# KiCad board S100-Backplane.kicad_pcb (continued)
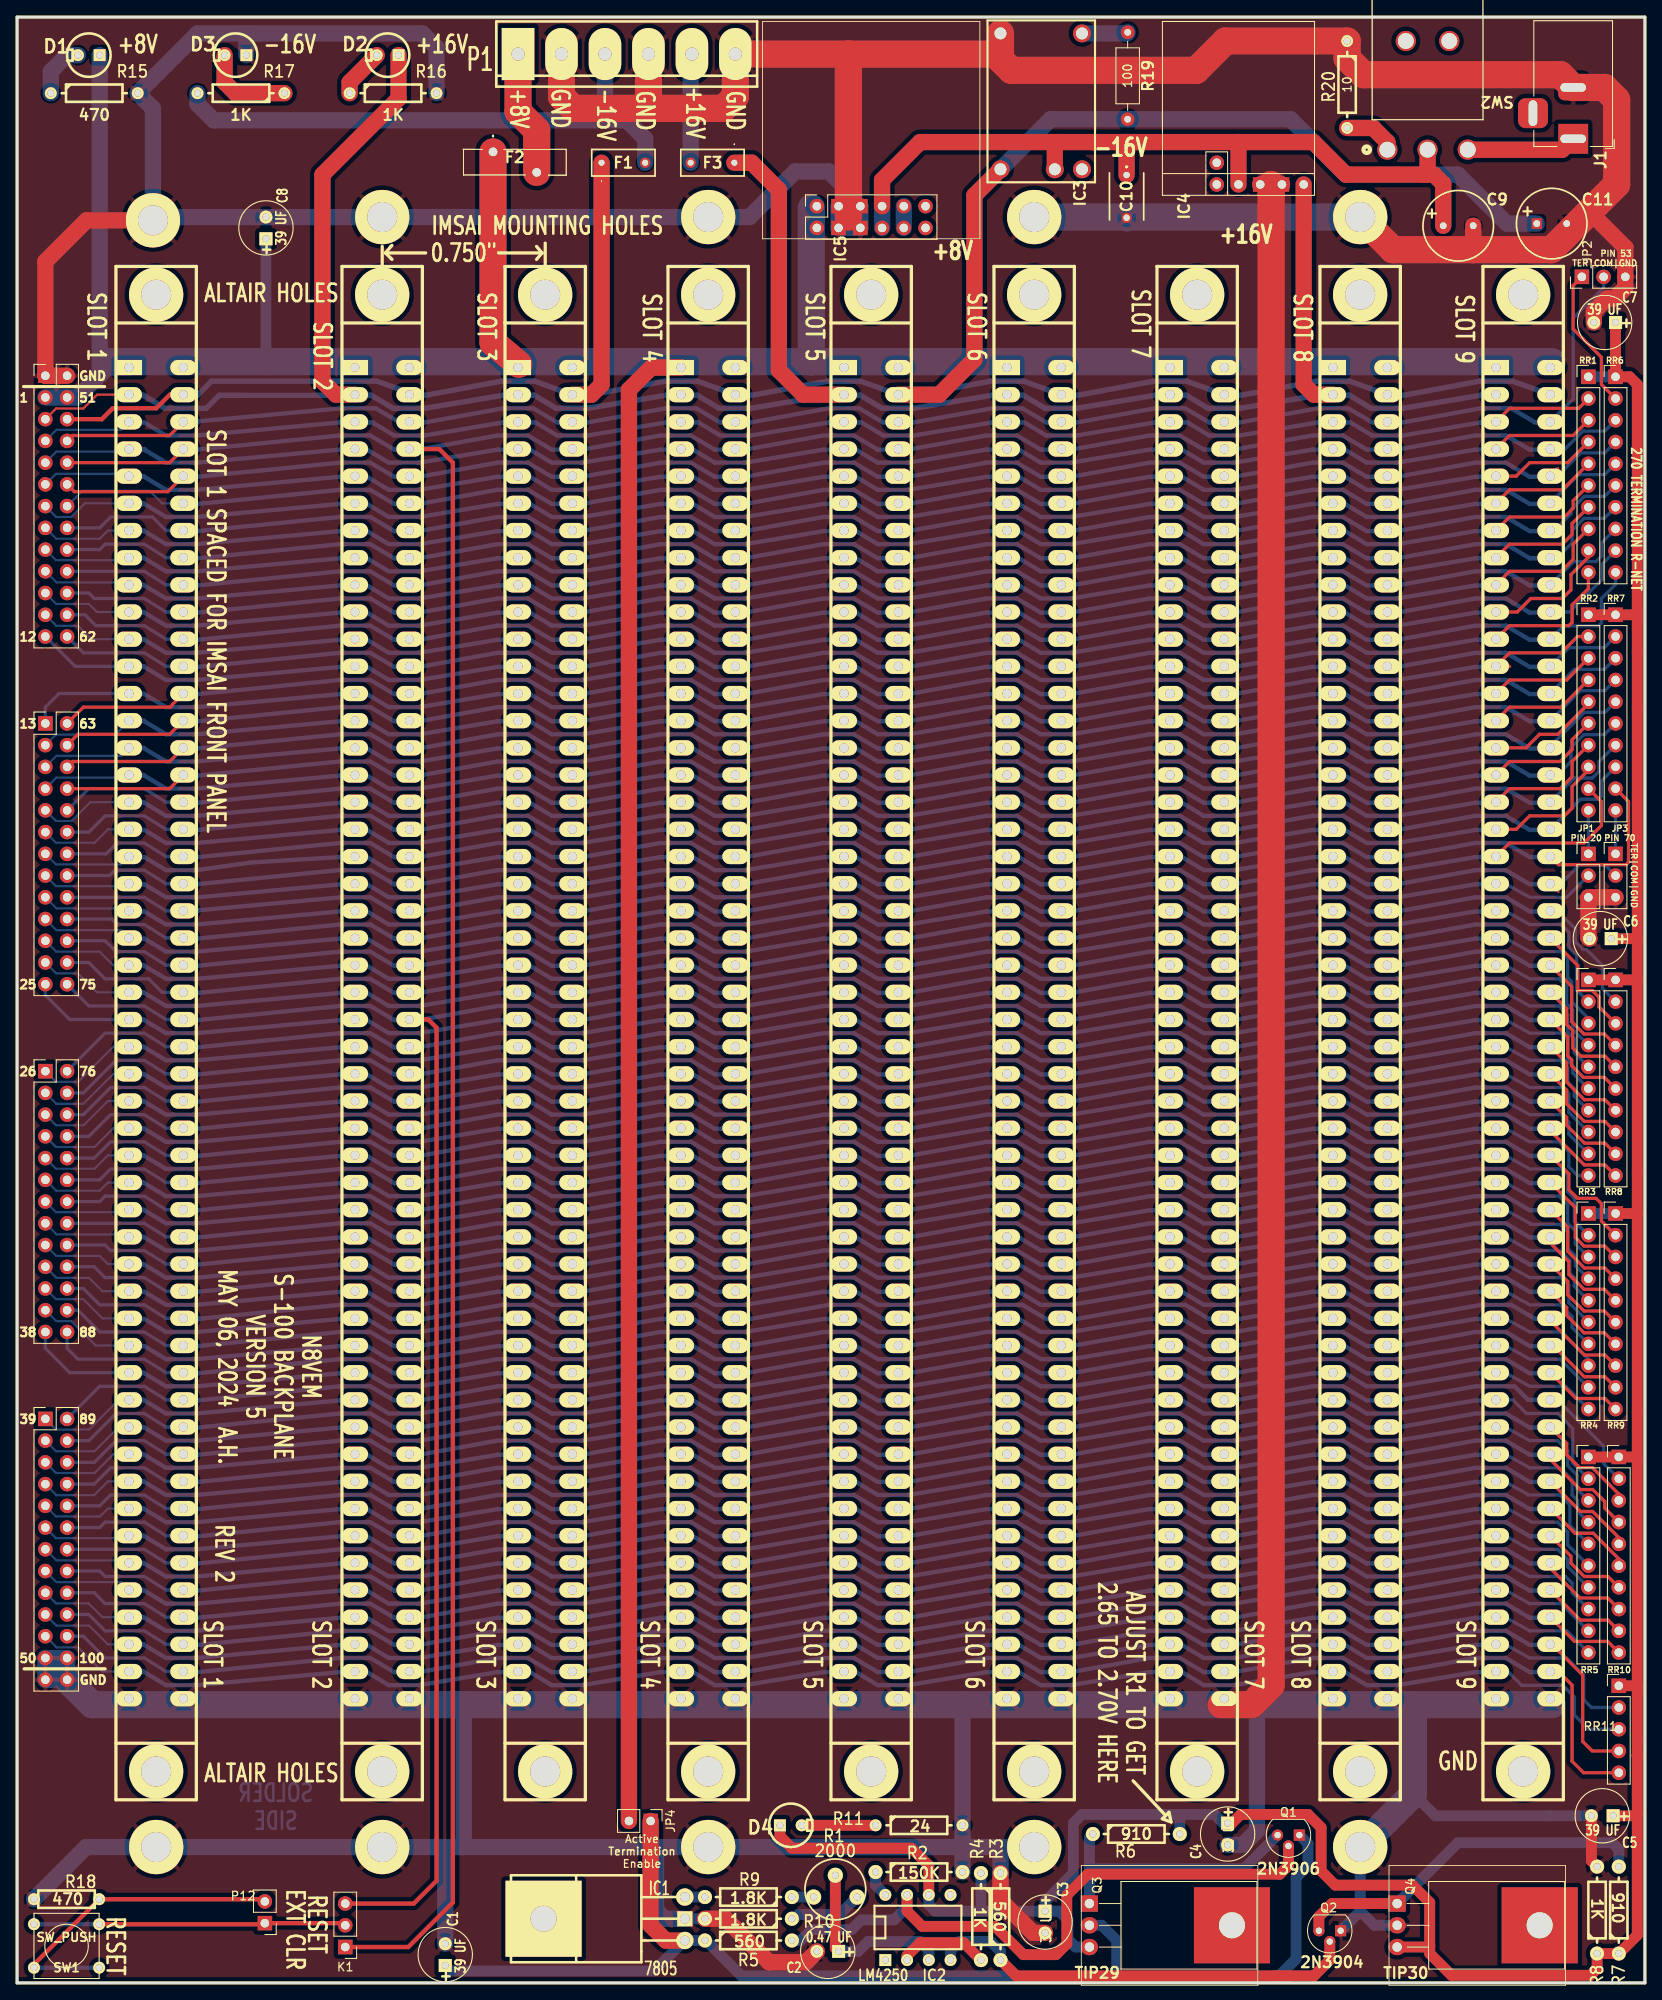
[diagram p0: board, top side]
## Routing (per net, layer and track width the routed paths; a pad name or vN(x,y) marks a point on that pad's centre or on a via; arc(x,y) is an arc through that point) (continued)
/A7: length 193.6
  Component w0.381: 179.2,87.12 U39.83 179.19,86.46 181.36,84.3 181.36,82.8 181.78,82.38 181.81,82.38 183.13,81.06 185.52,81.06 RR9.5
  Copper w0.381: 17.4,87.19 14.86,88.77 P4.16 ; 17.4,87.19 U31.83 ; 17.4,87.19 17.46,87.19
  Copper w0.508: 178.56,87.19 178.56,87.12 176.78,87.12 173.99,88.77 170.43,88.77 161.29,87.12 159.39,87.12 159.51,87.19 159.51,87.12 157.73,87.12 154.94,88.77 151.38,88.77 142.24,87.12 140.34,87.12 140.46,87.19 140.46,87.12 138.68,87.12 135.89,88.77 132.33,88.77 123.19,87.12 121.28,87.12 121.41,87.19 121.41,87.12 119.63,87.12 116.84,88.77 113.28,88.77 104.14,87.12 102.24,87.12 102.36,87.19 102.36,87.12 100.58,87.12 97.79,88.77 94.23,88.77 85.09,87.12 83.19,87.12 83.31,87.19 83.31,87.12 81.53,87.12 78.74,88.77 75.18,88.77 66.04,87.12 64.14,87.12 64.26,87.19 64.26,87.12 62.48,87.12 59.69,88.77 56.13,88.77 46.99,87.12 45.09,87.12 45.21,87.19 ; U32.83 45.85,87.12 44.07,87.12 41.28,88.77 37.72,88.77 21.08,87.12 19.05,87.12 19.17,87.19
/A8: length 194.5
  Component w0.381: U39.84 181.23,81.98 181.23,80.42 183.13,78.52 185.52,78.52 RR9.6
  Copper w0.381: 17.4,84.02 17.46,84.02 ; 17.4,84.02 U31.84 ; 17.4,84.02 14.86,85.6 10.92,85.6 10.29,86.23 P4.18 ; U39.84 180.53,84.02
  Copper w0.508: 178.56,84.02 178.56,83.95 176.78,83.95 173.99,85.6 170.43,85.6 161.29,83.95 159.39,83.95 159.51,84.02 159.51,83.95 157.73,83.95 154.94,85.6 151.38,85.6 142.24,83.95 140.34,83.95 140.46,84.02 140.46,83.95 138.68,83.95 135.89,85.6 132.33,85.6 123.19,83.95 121.28,83.95 121.41,84.02 121.41,83.95 119.63,83.95 116.84,85.6 113.28,85.6 104.14,83.95 102.24,83.95 102.36,84.02 102.36,83.95 100.58,83.95 97.79,85.6 94.23,85.6 85.09,83.95 83.19,83.95 83.31,84.02 83.31,83.95 81.53,83.95 78.74,85.6 75.18,85.6 66.04,83.95 64.14,83.95 64.26,84.02 64.26,83.95 62.48,83.95 59.69,85.6 56.13,85.6 46.99,83.95 45.09,83.95 45.21,84.02 ; U32.84 45.85,83.95 44.07,83.95 41.28,85.6 37.72,85.6 21.08,83.95 19.05,83.95 19.17,84.02
/A9: length 191.1
  Copper w0.25: P4.17 4.57,84.96 9.65,84.96 10.6,84.02 U31.34
  Copper w0.381: 173.54,84.02 U39.34 173.93,84.01 176.78,82.42 180.47,82.42 181.36,81.53 181.36,79.51 RR4.6
  Copper w0.508: 153.16,83.95 155.19,83.95 157.73,82.42 161.29,82.42 170.43,83.95 172.21,83.95 172.21,84.02 ; 153.16,83.95 153.16,84.02 153.16,83.95 ; 153.16,83.95 151.38,83.95 142.24,82.42 138.68,82.42 136.14,83.95 134.11,83.95 ; 134.11,83.95 134.11,84.02 134.11,83.95 ; 134.11,83.95 132.33,83.95 123.19,82.42 119.63,82.42 117.09,83.95 115.06,83.95 ; 115.06,83.95 115.06,84.02 115.06,83.95 ; 115.06,83.95 113.28,83.95 104.14,82.42 100.58,82.42 98.04,83.95 96.01,83.95 ; 96.01,83.95 96.01,84.02 96.01,83.95 ; 96.01,83.95 94.23,83.95 85.09,82.42 81.53,82.42 78.99,83.95 76.96,83.95 ; 76.96,83.95 76.96,84.02 76.96,83.95 ; 76.96,83.95 75.18,83.95 66.04,82.42 62.48,82.42 59.94,83.95 57.91,83.95 ; 57.91,83.95 57.91,84.02 57.91,83.95 ; 57.91,83.95 56.13,83.95 46.99,82.42 43.43,82.42 40.89,83.95 38.86,83.95 38.86,84.02 ; U32.34 39.5,83.95 37.72,83.95 20.96,82.42 17.4,82.42 14.86,83.95 14.79,84.02 U31.34
/A10: length 190.1
  Copper w0.25: U31.37 9.18,74.49 6.33,77.34 4.57,77.34 P4.23
  Copper w0.381: 173.54,74.49 U39.37 173.93,74.49 176.78,72.9 180.34,72.9 RR4.9
  Copper w0.508: 153.16,74.42 155.19,74.42 157.73,72.9 161.29,72.9 170.43,74.42 172.21,74.42 172.21,74.49 ; 153.16,74.42 153.16,74.49 153.16,74.42 ; 153.16,74.42 151.38,74.42 142.24,72.9 138.68,72.9 136.14,74.42 134.11,74.42 ; 134.11,74.42 134.11,74.49 134.11,74.42 ; 134.11,74.42 132.33,74.42 123.19,72.9 119.63,72.9 117.09,74.42 115.06,74.42 ; 115.06,74.42 115.06,74.49 115.06,74.42 ; 115.06,74.42 113.28,74.42 104.14,72.9 100.58,72.9 98.04,74.42 96.01,74.42 ; 96.01,74.42 96.01,74.49 96.01,74.42 ; 96.01,74.42 94.23,74.42 85.09,72.9 81.53,72.9 78.99,74.42 76.96,74.42 ; 76.96,74.42 76.96,74.49 76.96,74.42 ; 76.96,74.42 75.18,74.42 66.04,72.9 62.48,72.9 59.94,74.42 57.91,74.42 ; 57.91,74.42 57.91,74.49 57.91,74.42 ; 57.91,74.42 56.13,74.42 46.99,72.9 43.43,72.9 40.89,74.42 38.86,74.42 38.86,74.49 ; U32.37 39.5,74.42 37.72,74.42 20.96,72.9 17.4,72.9 14.86,74.42 12.83,74.42
/A11: length 194
  Component w0.381: U39.87 179.51,74.49 183.16,70.84 185.58,70.84 RR9.9
  Copper w0.381: 179.58,74.42 179.2,74.42 U39.87 179.2,74.55 180.47,74.55 ; 17.4,74.49 17.46,74.49 ; 17.4,74.49 U31.87 ; 17.4,74.49 14.86,76.07 9.65,76.07 7.11,78.61 P4.24
  Copper w0.508: 178.56,74.49 178.56,74.42 176.78,74.42 173.99,76.07 170.43,76.07 161.29,74.42 159.39,74.42 159.51,74.49 159.51,74.42 157.73,74.42 154.94,76.07 151.38,76.07 142.24,74.42 140.34,74.42 140.46,74.49 140.46,74.42 138.68,74.42 135.89,76.07 132.33,76.07 123.19,74.42 121.28,74.42 121.41,74.49 121.41,74.42 119.63,74.42 116.84,76.07 113.28,76.07 104.14,74.42 102.24,74.42 102.36,74.49 102.36,74.42 100.58,74.42 97.79,76.07 94.23,76.07 85.09,74.42 83.19,74.42 83.31,74.49 83.31,74.42 81.53,74.42 78.74,76.07 75.18,76.07 66.04,74.42 64.14,74.42 64.26,74.49 64.26,74.42 62.48,74.42 59.69,76.07 56.13,76.07 46.99,74.42 45.09,74.42 45.21,74.49 ; U32.87 45.85,74.42 44.07,74.42 41.28,76.07 37.72,76.07 21.08,74.42 19.05,74.42 19.17,74.49
/A12: length 193.2
  Copper w0.25: P4.15 4.6,87.47 12.79,87.47 U31.33
  Copper w0.381: U39.33 173.54,87.19 U39.33 ; U39.33 173.93,87.19 ; U39.33 173.93,87.19 ; 173.93,87.19 176.78,85.6 180.34,85.6 181.48,84.46 181.48,82.93 181.99,82.42 181.99,81.41 RR4.5
  Copper w0.508: 153.16,87.12 155.19,87.12 157.73,85.6 161.29,85.6 170.43,87.12 172.21,87.12 172.21,87.19 ; 153.16,87.12 153.16,87.19 153.16,87.12 ; 153.16,87.12 151.38,87.12 142.24,85.6 138.68,85.6 136.14,87.12 134.11,87.12 ; 134.11,87.12 134.11,87.19 134.11,87.12 ; 134.11,87.12 132.33,87.12 123.19,85.6 119.63,85.6 117.09,87.12 115.06,87.12 ; 115.06,87.12 115.06,87.19 115.06,87.12 ; 115.06,87.12 113.28,87.12 104.14,85.6 100.58,85.6 98.04,87.12 96.01,87.12 ; 96.01,87.12 96.01,87.19 96.01,87.12 ; 96.01,87.12 94.23,87.12 85.09,85.6 81.53,85.6 78.99,87.12 76.96,87.12 ; 76.96,87.12 76.96,87.19 76.96,87.12 ; 76.96,87.12 75.18,87.12 66.04,85.6 62.48,85.6 59.94,87.12 57.91,87.12 ; 57.91,87.12 57.91,87.19 57.91,87.12 ; 57.91,87.12 56.13,87.12 46.99,85.6 43.43,85.6 40.89,87.12 38.86,87.12 38.86,87.19 ; U32.33 39.5,87.12 37.72,87.12 20.96,85.6 17.4,85.6 14.86,87.12 14.79,87.19 U31.33
/A13: length 194.1
  Component w0.25: U39.85 179.54,80.49
  Component w0.381: RR9.7 185.52,75.98 183.13,75.98 181.1,78.01 181.1,78.93 U39.85
  Copper w0.381: 179.58,80.77 179.2,80.77 U39.85 179.26,80.84 179.58,80.84 ; 17.4,80.84 17.46,80.84 ; 17.4,80.84 U31.85 ; 17.4,80.84 14.86,82.42 10.29,82.42 9.02,83.69 P4.20
  Copper w0.508: 178.56,80.84 178.56,80.77 176.78,80.77 173.99,82.42 170.43,82.42 161.29,80.77 159.39,80.77 159.51,80.84 159.51,80.77 157.73,80.77 154.94,82.42 151.38,82.42 142.24,80.77 140.34,80.77 140.46,80.84 140.46,80.77 138.68,80.77 135.89,82.42 132.33,82.42 123.19,80.77 121.28,80.77 121.41,80.84 121.41,80.77 119.63,80.77 116.84,82.42 113.28,82.42 104.14,80.77 102.24,80.77 102.36,80.84 102.36,80.77 100.58,80.77 97.79,82.42 94.23,82.42 85.09,80.77 83.19,80.77 83.31,80.84 83.31,80.77 81.53,80.77 78.74,82.42 75.18,82.42 66.04,80.77 64.14,80.77 64.26,80.84 64.26,80.77 62.48,80.77 59.69,82.42 56.13,82.42 46.99,80.77 45.09,80.77 45.21,80.84 ; U32.85 45.85,80.77 44.07,80.77 41.28,82.42 37.72,82.42 21.08,80.77 19.05,80.77 19.17,80.84
/A14: length 197.7
  Component w0.381: U39.86 179.19,77.38 183.19,73.38 185.58,73.38 RR9.8
  Copper w0.381: 180.21,77.72 179.2,77.72 U39.86 ; U31.86 17.4,77.67 ; 17.4,77.67 17.46,77.67 ; 17.4,77.67 14.86,79.25 9.65,79.25 7.75,81.15 P4.22
  Copper w0.508: U39.86 179.2,77.6 177.42,77.6 174.63,79.25 171.07,79.25 161.92,77.6 160.02,77.6 U38.86 160.15,77.6 158.37,77.6 155.58,79.25 152.02,79.25 142.88,77.6 140.97,77.6 U37.86 141.1,77.6 139.32,77.6 136.53,79.25 132.97,79.25 123.83,77.6 121.92,77.6 U36.86 122.05,77.6 120.27,77.6 117.47,79.25 113.92,79.25 104.78,77.6 102.87,77.6 U35.86 103,77.6 101.22,77.6 98.43,79.25 94.87,79.25 85.72,77.6 83.82,77.6 U34.86 83.95,77.6 82.17,77.6 79.38,79.25 75.82,79.25 66.68,77.6 64.77,77.6 U33.86 64.9,77.6 63.12,77.6 60.33,79.25 56.77,79.25 47.62,77.6 45.72,77.6 ; 45.72,77.6 U32.86 45.72,77.6 ; 45.72,77.6 43.69,77.6 41.02,79.25 37.72,79.25 21.08,77.6 21.34,77.6 ; 46.48,77.67 46.48,77.6 44.7,77.6 ; 21.59,77.6 19.69,77.6 19.81,77.67 ; 21.34,77.6 U31.86 ; 21.34,77.6 20.96,77.6
/A15: length 192
  Copper w0.25: U31.32 12.78,90.07 4.54,90.07 P4.13
  Copper w0.381: 176.78,88.77 173.93,90.36 U39.32 173.54,90.37 ; 176.78,88.77 176.85,88.77 ; 176.78,88.77 176.91,88.65 180.34,88.65 181.23,87.76 181.23,85.85 182.12,84.96 182.12,83.82 RR4.4
  Copper w0.508: 172.21,90.37 172.21,90.3 170.43,90.3 161.29,88.77 157.73,88.77 155.19,90.3 153.16,90.3 ; 153.16,90.3 153.16,90.37 153.16,90.3 ; 153.16,90.3 151.38,90.3 142.24,88.77 138.68,88.77 136.14,90.3 134.11,90.3 ; 134.11,90.3 134.11,90.37 134.11,90.3 ; 134.11,90.3 132.33,90.3 123.19,88.77 119.63,88.77 117.09,90.3 115.06,90.3 ; 115.06,90.3 115.06,90.37 115.06,90.3 ; 115.06,90.3 113.28,90.3 104.14,88.77 100.58,88.77 98.04,90.3 96.01,90.3 ; 96.01,90.3 96.01,90.37 96.01,90.3 ; 96.01,90.3 94.23,90.3 85.09,88.77 81.53,88.77 78.99,90.3 76.96,90.3 ; 76.96,90.3 76.96,90.37 76.96,90.3 ; 76.96,90.3 75.18,90.3 66.04,88.77 62.48,88.77 59.94,90.3 57.91,90.3 ; 57.91,90.3 57.91,90.37 57.91,90.3 ; 57.91,90.3 56.13,90.3 46.99,88.77 43.43,88.77 40.89,90.3 38.86,90.3 38.86,90.37 ; U32.32 39.5,90.3 37.72,90.3 20.96,88.77 17.4,88.77 14.86,90.3 14.79,90.37 U31.32
/DI0: length 192.1
  Component w0.381: RR10.8 185.9,44.99 182.66,44.99 179.19,48.46 U39.95
  Copper w0.381: 17.4,49.09 17.46,49.09 ; 17.4,49.09 U31.95 ; 17.4,49.09 14.86,50.67 P5.14
  Copper w0.508: 178.56,49.09 178.56,49.02 176.78,49.02 173.99,50.67 170.43,50.67 161.29,49.02 159.39,49.02 159.51,49.09 159.51,49.02 157.73,49.02 154.94,50.67 151.38,50.67 142.24,49.02 140.34,49.02 140.46,49.09 140.46,49.02 138.68,49.02 135.89,50.67 132.33,50.67 123.19,49.02 121.28,49.02 121.41,49.09 121.41,49.02 119.63,49.02 116.84,50.67 113.28,50.67 104.14,49.02 102.24,49.02 102.36,49.09 102.36,49.02 100.58,49.02 97.79,50.67 94.23,50.67 85.09,49.02 83.19,49.02 83.31,49.09 83.31,49.02 81.53,49.02 78.74,50.67 75.18,50.67 66.04,49.02 64.14,49.02 64.26,49.09 64.26,49.02 62.48,49.02 59.69,50.67 56.13,50.67 46.99,49.02 45.09,49.02 45.21,49.09 ; U32.95 45.85,49.02 44.07,49.02 41.28,50.67 37.72,50.67 21.08,49.02 19.05,49.02 19.17,49.09
/DI1: length 194.7
  Component w0.25: 187.2,46.97 RR10.7
  Component w0.381: RR10.7 185.93,47.5 183.16,47.5 181.61,49.05 181.61,49.85 U39.94
  Copper w0.381: 180.34,52.45 180.15,52.27 U39.94 ; 17.4,52.27 14.86,53.85 10.29,53.85 9.65,53.21 P5.12 ; 17.4,52.27 U31.94 ; 17.4,52.27 17.46,52.27
  Copper w0.508: 178.56,52.27 178.56,52.2 176.78,52.2 173.99,53.85 170.43,53.85 161.29,52.2 159.39,52.2 159.51,52.27 159.51,52.2 157.73,52.2 154.94,53.85 151.38,53.85 142.24,52.2 140.34,52.2 140.46,52.27 140.46,52.2 138.68,52.2 135.89,53.85 132.33,53.85 123.19,52.2 121.28,52.2 121.41,52.27 121.41,52.2 119.63,52.2 116.84,53.85 113.28,53.85 104.14,52.2 102.24,52.2 102.36,52.27 102.36,52.2 100.58,52.2 97.79,53.85 94.23,53.85 85.09,52.2 83.19,52.2 83.31,52.27 83.31,52.2 81.53,52.2 78.74,53.85 75.18,53.85 66.04,52.2 64.14,52.2 64.26,52.27 64.26,52.2 62.48,52.2 59.69,53.85 56.13,53.85 46.99,52.2 45.09,52.2 45.21,52.27 ; U32.94 45.85,52.2 44.07,52.2 41.28,53.85 37.72,53.85 21.08,52.2 19.05,52.2 19.17,52.27
/DI2: length 192.7
  Copper w0.25: U31.41 11.24,61.79 9.05,59.59 4.54,59.59 P5.5
  Copper w0.381: 176.78,60.2 173.93,61.79 U39.41 173.54,61.79 ; 176.78,60.2 176.85,60.2 ; 176.78,60.2 180.34,60.2 181.74,58.8 181.74,57.02 182.37,56.39 182.37,55.12 183.64,53.85
  Copper w0.508: 172.21,61.79 172.21,61.72 170.43,61.72 161.29,60.2 157.73,60.2 155.19,61.72 153.16,61.72 ; 153.16,61.72 153.16,61.79 153.16,61.72 ; 153.16,61.72 151.38,61.72 142.24,60.2 138.68,60.2 136.14,61.72 134.11,61.72 ; 134.11,61.72 134.11,61.79 134.11,61.72 ; 134.11,61.72 132.33,61.72 123.19,60.2 119.63,60.2 117.09,61.72 115.06,61.72 ; 115.06,61.72 115.06,61.79 115.06,61.72 ; 115.06,61.72 113.28,61.72 104.14,60.2 100.58,60.2 98.04,61.72 96.01,61.72 ; 96.01,61.72 96.01,61.79 96.01,61.72 ; 96.01,61.72 94.23,61.72 85.09,60.2 81.53,60.2 78.99,61.72 76.96,61.72 ; 76.96,61.72 76.96,61.79 76.96,61.72 ; 76.96,61.72 75.18,61.72 66.04,60.2 62.48,60.2 59.94,61.72 57.91,61.72 ; 57.91,61.72 57.91,61.79 57.91,61.72 ; 57.91,61.72 56.13,61.72 46.99,60.2 43.43,60.2 40.89,61.72 38.86,61.72 38.86,61.79 ; U32.41 39.5,61.72 37.72,61.72 20.96,60.2 17.4,60.2 14.86,61.72 14.79,61.79 U31.41
/DI3: length 191.7
  Copper w0.25: 173.93,58.61 U39.42 ; U31.42 10.61,58.62 8.99,56.99 4.6,56.99 P5.7
  Copper w0.381: U39.42 173.54,58.62 ; RR5.5 181.48,53.47 181.48,55.88 180.34,57.02 176.6,57.02 176.5,57.12 174.05,58.48
  Copper w0.508: 172.21,58.62 172.21,58.55 170.43,58.55 161.29,57.02 157.73,57.02 155.19,58.55 153.16,58.55 ; 153.16,58.55 153.16,58.62 153.16,58.55 ; 153.16,58.55 151.38,58.55 142.24,57.02 138.68,57.02 136.14,58.55 134.11,58.55 ; 134.11,58.55 134.11,58.62 134.11,58.55 ; 134.11,58.55 132.33,58.55 123.19,57.02 119.63,57.02 117.09,58.55 115.06,58.55 ; 115.06,58.55 115.06,58.62 115.06,58.55 ; 115.06,58.55 113.28,58.55 104.14,57.02 100.58,57.02 98.04,58.55 96.01,58.55 ; 96.01,58.55 96.01,58.62 96.01,58.55 ; 96.01,58.55 94.23,58.55 85.09,57.02 81.53,57.02 78.99,58.55 76.96,58.55 ; 76.96,58.55 76.96,58.62 76.96,58.55 ; 76.96,58.55 75.18,58.55 66.04,57.02 62.48,57.02 59.94,58.55 57.91,58.55 ; 57.91,58.55 57.91,58.62 57.91,58.55 ; 57.91,58.55 56.13,58.55 46.99,57.02 43.43,57.02 40.89,58.55 38.86,58.55 38.86,58.62 ; U32.42 39.5,58.55 37.72,58.55 20.96,57.02 17.4,57.02 14.86,58.55 14.79,58.62 U31.42
/DI4: length 197.1
  Component w0.25: 187.2,54.63 187.2,53.85
  Component w0.381: U39.91 179.19,61.16 182.69,57.66 184.15,57.66 185.55,56.26 185.55,55.5 187.2,53.85
  Copper w0.381: 180.59,61.85 179.07,61.85 U39.91 ; U31.91 17.4,61.79 ; 17.4,61.79 17.46,61.79 ; 17.4,61.79 14.86,63.37 11.56,63.37 9.02,60.83 P5.6
  Copper w0.508: 178.56,61.79 178.56,61.72 176.78,61.72 173.99,63.37 170.43,63.37 161.29,61.72 159.39,61.72 159.51,61.79 159.51,61.72 157.73,61.72 154.94,63.37 151.38,63.37 142.24,61.72 140.34,61.72 140.46,61.79 140.46,61.72 138.68,61.72 135.89,63.37 132.33,63.37 123.19,61.72 121.28,61.72 121.41,61.79 121.41,61.72 119.63,61.72 116.84,63.37 113.28,63.37 104.14,61.72 102.24,61.72 102.36,61.79 102.36,61.72 100.58,61.72 97.79,63.37 94.23,63.37 85.09,61.72 83.19,61.72 83.31,61.79 83.31,61.72 81.53,61.72 78.74,63.37 75.18,63.37 66.04,61.72 64.14,61.72 64.26,61.79 64.26,61.72 62.48,61.72 59.69,63.37 56.13,63.37 46.99,61.72 45.09,61.72 45.21,61.79 ; U32.91 45.85,61.72 44.07,61.72 41.28,63.37 37.72,63.37 21.08,61.72 19.05,61.72 19.17,61.79
/DI5: length 195.9
  Component w0.25: 187.2,52.09 RR10.5
  Component w0.381: RR10.5 187.2,52.05 184.16,55.09 182.72,55.09 U39.92
  Copper w0.381: 17.4,58.62 17.46,58.62 ; 17.4,58.62 U31.92 ; 17.4,58.62 14.86,60.2 10.92,60.2 9.02,58.29 P5.8 ; U39.92 180.53,58.62
  Copper w0.508: 178.56,58.62 178.56,58.55 176.78,58.55 173.99,60.2 170.43,60.2 161.29,58.55 159.39,58.55 159.51,58.62 159.51,58.55 157.73,58.55 154.94,60.2 151.38,60.2 142.24,58.55 140.34,58.55 140.46,58.62 140.46,58.55 138.68,58.55 135.89,60.2 132.33,60.2 123.19,58.55 121.28,58.55 121.41,58.62 121.41,58.55 119.63,58.55 116.84,60.2 113.28,60.2 104.14,58.55 102.24,58.55 102.36,58.62 102.36,58.55 100.58,58.55 97.79,60.2 94.23,60.2 85.09,58.55 83.19,58.55 83.31,58.62 83.31,58.55 81.53,58.55 78.74,60.2 75.18,60.2 66.04,58.55 64.14,58.55 64.26,58.62 64.26,58.55 62.48,58.55 59.69,60.2 56.13,60.2 46.99,58.55 45.09,58.55 45.21,58.62 ; U32.92 45.85,58.55 44.07,58.55 41.28,60.2 37.72,60.2 21.08,58.55 19.05,58.55 19.17,58.62
/DI6: length 193.9
  Component w0.203: RR10.6 187.2,49.38
  Component w0.381: RR10.6 187.2,49.55 184.2,52.55 182.08,52.55 U39.93
  Copper w0.381: 17.4,55.44 17.46,55.44 ; 17.4,55.44 U31.93 ; 17.4,55.44 14.86,57.02 10.92,57.02 9.65,55.75 P5.10
  Copper w0.508: 178.56,55.44 178.56,55.37 176.78,55.37 173.99,57.02 170.43,57.02 161.29,55.37 159.39,55.37 159.51,55.44 159.51,55.37 157.73,55.37 154.94,57.02 151.38,57.02 142.24,55.37 140.34,55.37 140.46,55.44 140.46,55.37 138.68,55.37 135.89,57.02 132.33,57.02 123.19,55.37 121.28,55.37 121.41,55.44 121.41,55.37 119.63,55.37 116.84,57.02 113.28,57.02 104.14,55.37 102.24,55.37 102.36,55.44 102.36,55.37 100.58,55.37 97.79,57.02 94.23,57.02 85.09,55.37 83.19,55.37 83.31,55.44 83.31,55.37 81.53,55.37 78.74,57.02 75.18,57.02 66.04,55.37 64.14,55.37 64.26,55.44 64.26,55.37 62.48,55.37 59.69,57.02 56.13,57.02 46.99,55.37 45.09,55.37 45.21,55.44 ; U32.93 45.85,55.37 44.07,55.37 41.28,57.02 37.72,57.02 21.08,55.37 19.05,55.37 19.17,55.44
/DI7: length 191.1
  Copper w0.25: U31.43 10.61,55.44 9.68,54.51 4.54,54.51 P5.9 ; U39.43 173.93,55.44
  Copper w0.381: 174.18,55.44 U39.43 ; RR5.6 181.23,51.18 181.23,52.67 180.05,53.85 177.04,53.85 174.18,55.44
  Copper w0.508: 153.16,55.37 155.19,55.37 157.73,53.85 161.29,53.85 170.43,55.37 172.21,55.37 172.21,55.44 ; 153.16,55.37 153.16,55.44 153.16,55.37 ; 153.16,55.37 151.38,55.37 142.24,53.85 138.68,53.85 136.14,55.37 134.11,55.37 ; 134.11,55.37 134.11,55.44 134.11,55.37 ; 134.11,55.37 132.33,55.37 123.19,53.85 119.63,53.85 117.09,55.37 115.06,55.37 ; 115.06,55.37 115.06,55.44 115.06,55.37 ; 115.06,55.37 113.28,55.37 104.14,53.85 100.58,53.85 98.04,55.37 96.01,55.37 ; 96.01,55.37 96.01,55.44 96.01,55.37 ; 96.01,55.37 94.23,55.37 85.09,53.85 81.53,53.85 78.99,55.37 76.96,55.37 ; 76.96,55.37 76.96,55.44 76.96,55.37 ; 76.96,55.37 75.18,55.37 66.04,53.85 62.48,53.85 59.94,55.37 57.91,55.37 ; 57.91,55.37 57.91,55.44 57.91,55.37 ; 57.91,55.37 56.13,55.37 46.99,53.85 43.43,53.85 40.89,55.37 38.86,55.37 38.86,55.44 ; U32.43 39.5,55.37 37.72,55.37 20.96,53.85 17.4,53.85 14.86,55.37 14.79,55.44 U31.43
/DIG1(---): length 193.7
  Component w0.25: U39.57 179.48,169.45
  Component w0.381: 179.83,169.8 179.07,169.8 U39.57
  Copper w0.381: 17.4,169.74 17.46,169.74 ; 17.4,169.74 U31.57 ; 17.4,169.74 15.82,171.32 10.92,171.32 9.65,170.05 P2.16 ; RR6.6 185.55,173.74 183.16,173.74 181.61,172.19 181.61,171.7 179.65,169.74 U39.57
  Copper w0.508: 178.56,169.74 178.56,169.67 176.78,169.67 173.99,171.32 170.43,171.32 161.29,169.67 159.39,169.67 159.51,169.74 159.51,169.67 157.73,169.67 154.94,171.32 151.38,171.32 142.24,169.67 140.34,169.67 140.46,169.74 140.46,169.67 138.68,169.67 135.89,171.32 132.33,171.32 123.19,169.67 121.28,169.67 121.41,169.74 121.41,169.67 119.63,169.67 116.84,171.32 113.28,171.32 104.14,169.67 102.24,169.67 102.36,169.74 102.36,169.67 100.58,169.67 97.79,171.32 94.23,171.32 85.09,169.67 83.19,169.67 83.31,169.74 83.31,169.67 81.53,169.67 78.74,171.32 75.18,171.32 66.04,169.67 64.14,169.67 64.26,169.74 64.26,169.67 62.48,169.67 59.69,171.32 56.13,171.32 46.99,169.67 45.09,169.67 45.21,169.74 ; U32.57 45.85,169.67 44.07,169.67 41.28,171.32 37.72,171.32 21.08,169.67 19.05,169.67 19.17,169.74
/DO0: length 190.6
  Copper w0.25: U31.36 9.96,77.67 7.72,79.91 4.54,79.91 P4.21
  Copper w0.381: 173.54,77.67 U39.36 173.93,77.66 176.78,76.07 180.47,76.07 183.64,72.9 RR4.8
  Copper w0.508: 172.21,77.67 172.21,77.6 170.43,77.6 161.29,76.07 157.73,76.07 155.19,77.6 153.16,77.6 ; 153.16,77.6 153.16,77.67 153.16,77.6 ; 153.16,77.6 151.38,77.6 142.24,76.07 138.68,76.07 136.14,77.6 134.11,77.6 ; 134.11,77.6 134.11,77.67 134.11,77.6 ; 134.11,77.6 132.33,77.6 123.19,76.07 119.63,76.07 117.09,77.6 115.06,77.6 ; 115.06,77.6 115.06,77.67 115.06,77.6 ; 115.06,77.6 113.28,77.6 104.14,76.07 100.58,76.07 98.04,77.6 96.01,77.6 ; 96.01,77.6 96.01,77.67 96.01,77.6 ; 96.01,77.6 94.23,77.6 85.09,76.07 81.53,76.07 78.99,77.6 76.96,77.6 ; 76.96,77.6 76.96,77.67 76.96,77.6 ; 76.96,77.6 75.18,77.6 66.04,76.07 62.48,76.07 59.94,77.6 57.91,77.6 ; 57.91,77.6 57.91,77.67 57.91,77.6 ; 57.91,77.6 56.13,77.6 46.99,76.07 43.43,76.07 40.89,77.6 38.86,77.6 38.86,77.67 ; U32.36 39.5,77.6 37.72,77.6 20.96,76.07 17.4,76.07 14.86,77.6 12.83,77.6
/DO1: length 190.9
  Copper w0.25: P4.19 4.6,82.39 8.41,82.39 9.96,80.84 U31.35
  Copper w0.381: 173.54,80.84 U39.35 173.93,80.84 176.78,79.25 180.34,79.25 181.74,77.85 181.74,76.59 RR4.7
  Copper w0.508: 172.21,80.84 172.21,80.77 170.43,80.77 161.29,79.25 157.73,79.25 155.19,80.77 153.16,80.77 ; 153.16,80.77 153.16,80.84 153.16,80.77 ; 153.16,80.77 151.38,80.77 142.24,79.25 138.68,79.25 136.14,80.77 134.11,80.77 ; 134.11,80.77 134.11,80.84 134.11,80.77 ; 134.11,80.77 132.33,80.77 123.19,79.25 119.63,79.25 117.09,80.77 115.06,80.77 ; 115.06,80.77 115.06,80.84 115.06,80.77 ; 115.06,80.77 113.28,80.77 104.14,79.25 100.58,79.25 98.04,80.77 96.01,80.77 ; 96.01,80.77 96.01,80.84 96.01,80.77 ; 96.01,80.77 94.23,80.77 85.09,79.25 81.53,79.25 78.99,80.77 76.96,80.77 ; 76.96,80.77 76.96,80.84 76.96,80.77 ; 76.96,80.77 75.18,80.77 66.04,79.25 62.48,79.25 59.94,80.77 57.91,80.77 ; 57.91,80.77 57.91,80.84 57.91,80.77 ; 57.91,80.77 56.13,80.77 46.99,79.25 43.43,79.25 40.89,80.77 38.86,80.77 38.86,80.84 ; U32.35 39.5,80.77 37.72,80.77 20.96,79.25 17.4,79.25 14.86,80.77 12.83,80.77
/DO2: length 193.5
  Component w0.381: RR9.10 185.58,68.3 182.21,68.3 U39.88
  Copper w0.381: 179.07,71.25 U39.88 ; U31.88 17.4,71.32 ; 17.4,71.32 17.46,71.32 ; 17.4,71.32 14.86,72.9 7.11,72.9 5.84,74.17 P4.26
  Copper w0.508: 178.56,71.32 178.56,71.25 176.78,71.25 173.99,72.9 170.43,72.9 161.29,71.25 159.39,71.25 159.51,71.32 159.51,71.25 157.73,71.25 154.94,72.9 151.38,72.9 142.24,71.25 140.34,71.25 140.46,71.32 140.46,71.25 138.68,71.25 135.89,72.9 132.33,72.9 123.19,71.25 121.28,71.25 121.41,71.32 121.41,71.25 119.63,71.25 116.84,72.9 113.28,72.9 104.14,71.25 102.24,71.25 102.36,71.32 102.36,71.25 100.58,71.25 97.79,72.9 94.23,72.9 85.09,71.25 83.19,71.25 83.31,71.32 83.31,71.25 81.53,71.25 78.74,72.9 75.18,72.9 66.04,71.25 64.14,71.25 64.26,71.32 64.26,71.25 62.48,71.25 59.69,72.9 56.13,72.9 46.99,71.25 45.09,71.25 45.21,71.32 ; U32.88 45.85,71.25 44.07,71.25 41.28,72.9 37.72,72.9 21.08,71.25 19.05,71.25 19.17,71.32
/DO3: length 197.3
  Copper w0.25: 179.64,68.14 U39.89
  Copper w0.381: 17.4,68.14 14.86,69.72 9.65,69.72 P5.2 ; 17.4,68.14 U31.89 ; 17.4,68.14 17.46,68.14 ; U39.89 180.02,68.14 185.42,62.74 185.42,60.71 RR10.2
  Copper w0.508: 45.21,68.14 45.09,68.07 46.99,68.07 56.13,69.72 59.69,69.72 62.48,68.07 64.26,68.07 64.26,68.14 64.14,68.07 66.04,68.07 75.18,69.72 78.74,69.72 81.53,68.07 83.31,68.07 83.31,68.14 83.19,68.07 85.09,68.07 94.23,69.72 97.79,69.72 100.58,68.07 102.36,68.07 102.36,68.14 102.24,68.07 104.14,68.07 113.28,69.72 116.84,69.72 119.63,68.07 121.41,68.07 121.41,68.14 121.28,68.07 123.19,68.07 132.33,69.72 135.89,69.72 138.68,68.07 140.46,68.07 140.46,68.14 140.34,68.07 142.24,68.07 151.38,69.72 154.94,69.72 157.73,68.07 159.51,68.07 159.51,68.14 159.39,68.07 161.29,68.07 170.43,69.72 175.01,69.72 176.59,68.14 U39.89 ; U32.89 45.85,68.07 44.07,68.07 41.28,69.72 37.72,69.72 21.08,68.07 19.05,68.07 19.17,68.14
/DO4: length 191
  Copper w0.381: 173.54,71.32 U39.38 173.93,71.31 176.78,69.72 180.98,69.72 RR4.10 ; U31.38 6.15,71.32 3.3,74.17 P4.25
  Copper w0.508: 172.21,71.32 172.21,71.25 170.43,71.25 161.29,69.72 157.73,69.72 155.19,71.25 153.16,71.25 ; 153.16,71.25 153.16,71.32 153.16,71.25 ; 153.16,71.25 151.38,71.25 142.24,69.72 138.68,69.72 136.14,71.25 134.11,71.25 ; 134.11,71.25 134.11,71.32 134.11,71.25 ; 134.11,71.25 132.33,71.25 123.19,69.72 119.63,69.72 117.09,71.25 115.06,71.25 ; 115.06,71.25 115.06,71.32 115.06,71.25 ; 115.06,71.25 113.28,71.25 104.14,69.72 100.58,69.72 98.04,71.25 96.01,71.25 ; 96.01,71.25 96.01,71.32 96.01,71.25 ; 96.01,71.25 94.23,71.25 85.09,69.72 81.53,69.72 78.99,71.25 76.96,71.25 ; 76.96,71.25 76.96,71.32 76.96,71.25 ; 76.96,71.25 75.18,71.25 66.04,69.72 62.48,69.72 59.94,71.25 57.91,71.25 ; 57.91,71.25 57.91,71.32 57.91,71.25 ; 57.91,71.25 56.13,71.25 46.99,69.72 43.43,69.72 40.89,71.25 38.86,71.25 38.86,71.32 ; U32.38 39.5,71.25 37.72,71.25 20.96,69.72 17.4,69.72 14.86,71.25 14.79,71.32 U31.38
/DO5: length 196.5
  Copper w0.25: U39.39 173.54,68.14 ; U39.39 173.93,68.14 ; U39.39 173.42,67.56 ; P5.1 4.54,64.67 8.41,64.67 11.88,68.14
  Copper w0.381: RR5.2 181.81,60.76 181.81,64.79 180.05,66.55 176.4,66.55 174.81,68.14 U39.39 ; U31.39 11.88,68.14
  Copper w0.508: 153.16,68.07 155.19,68.07 157.73,66.55 161.29,66.55 170.43,68.07 172.21,68.07 172.21,68.14 ; 153.16,68.07 153.16,68.14 153.16,68.07 ; 153.16,68.07 151.38,68.07 142.24,66.55 138.68,66.55 136.14,68.07 134.11,68.07 ; 134.11,68.07 134.11,68.14 134.11,68.07 ; 134.11,68.07 132.33,68.07 123.19,66.55 119.63,66.55 117.09,68.07 115.06,68.07 ; 115.06,68.07 115.06,68.14 115.06,68.07 ; 115.06,68.07 113.28,68.07 104.14,66.55 100.58,66.55 98.04,68.07 96.01,68.07 ; 96.01,68.07 96.01,68.14 96.01,68.07 ; 96.01,68.07 94.23,68.07 85.09,66.55 81.53,66.55 78.99,68.07 76.96,68.07 ; 76.96,68.07 76.96,68.14 76.96,68.07 ; 76.96,68.07 75.18,68.07 66.04,66.55 62.48,66.55 59.94,68.07 57.91,68.07 ; 57.91,68.07 57.91,68.14 57.91,68.07 ; 57.91,68.07 56.13,68.07 46.99,66.55 43.43,66.55 40.89,68.07 38.86,68.07 38.86,68.14 ; U32.39 39.5,68.07 37.72,68.07 20.96,66.55 17.4,66.55 14.86,68.07 14.79,68.14 U31.39